# Altium PCB IMX6 DEV BOARD.PcbDoc (part 9 of 12) (continued)
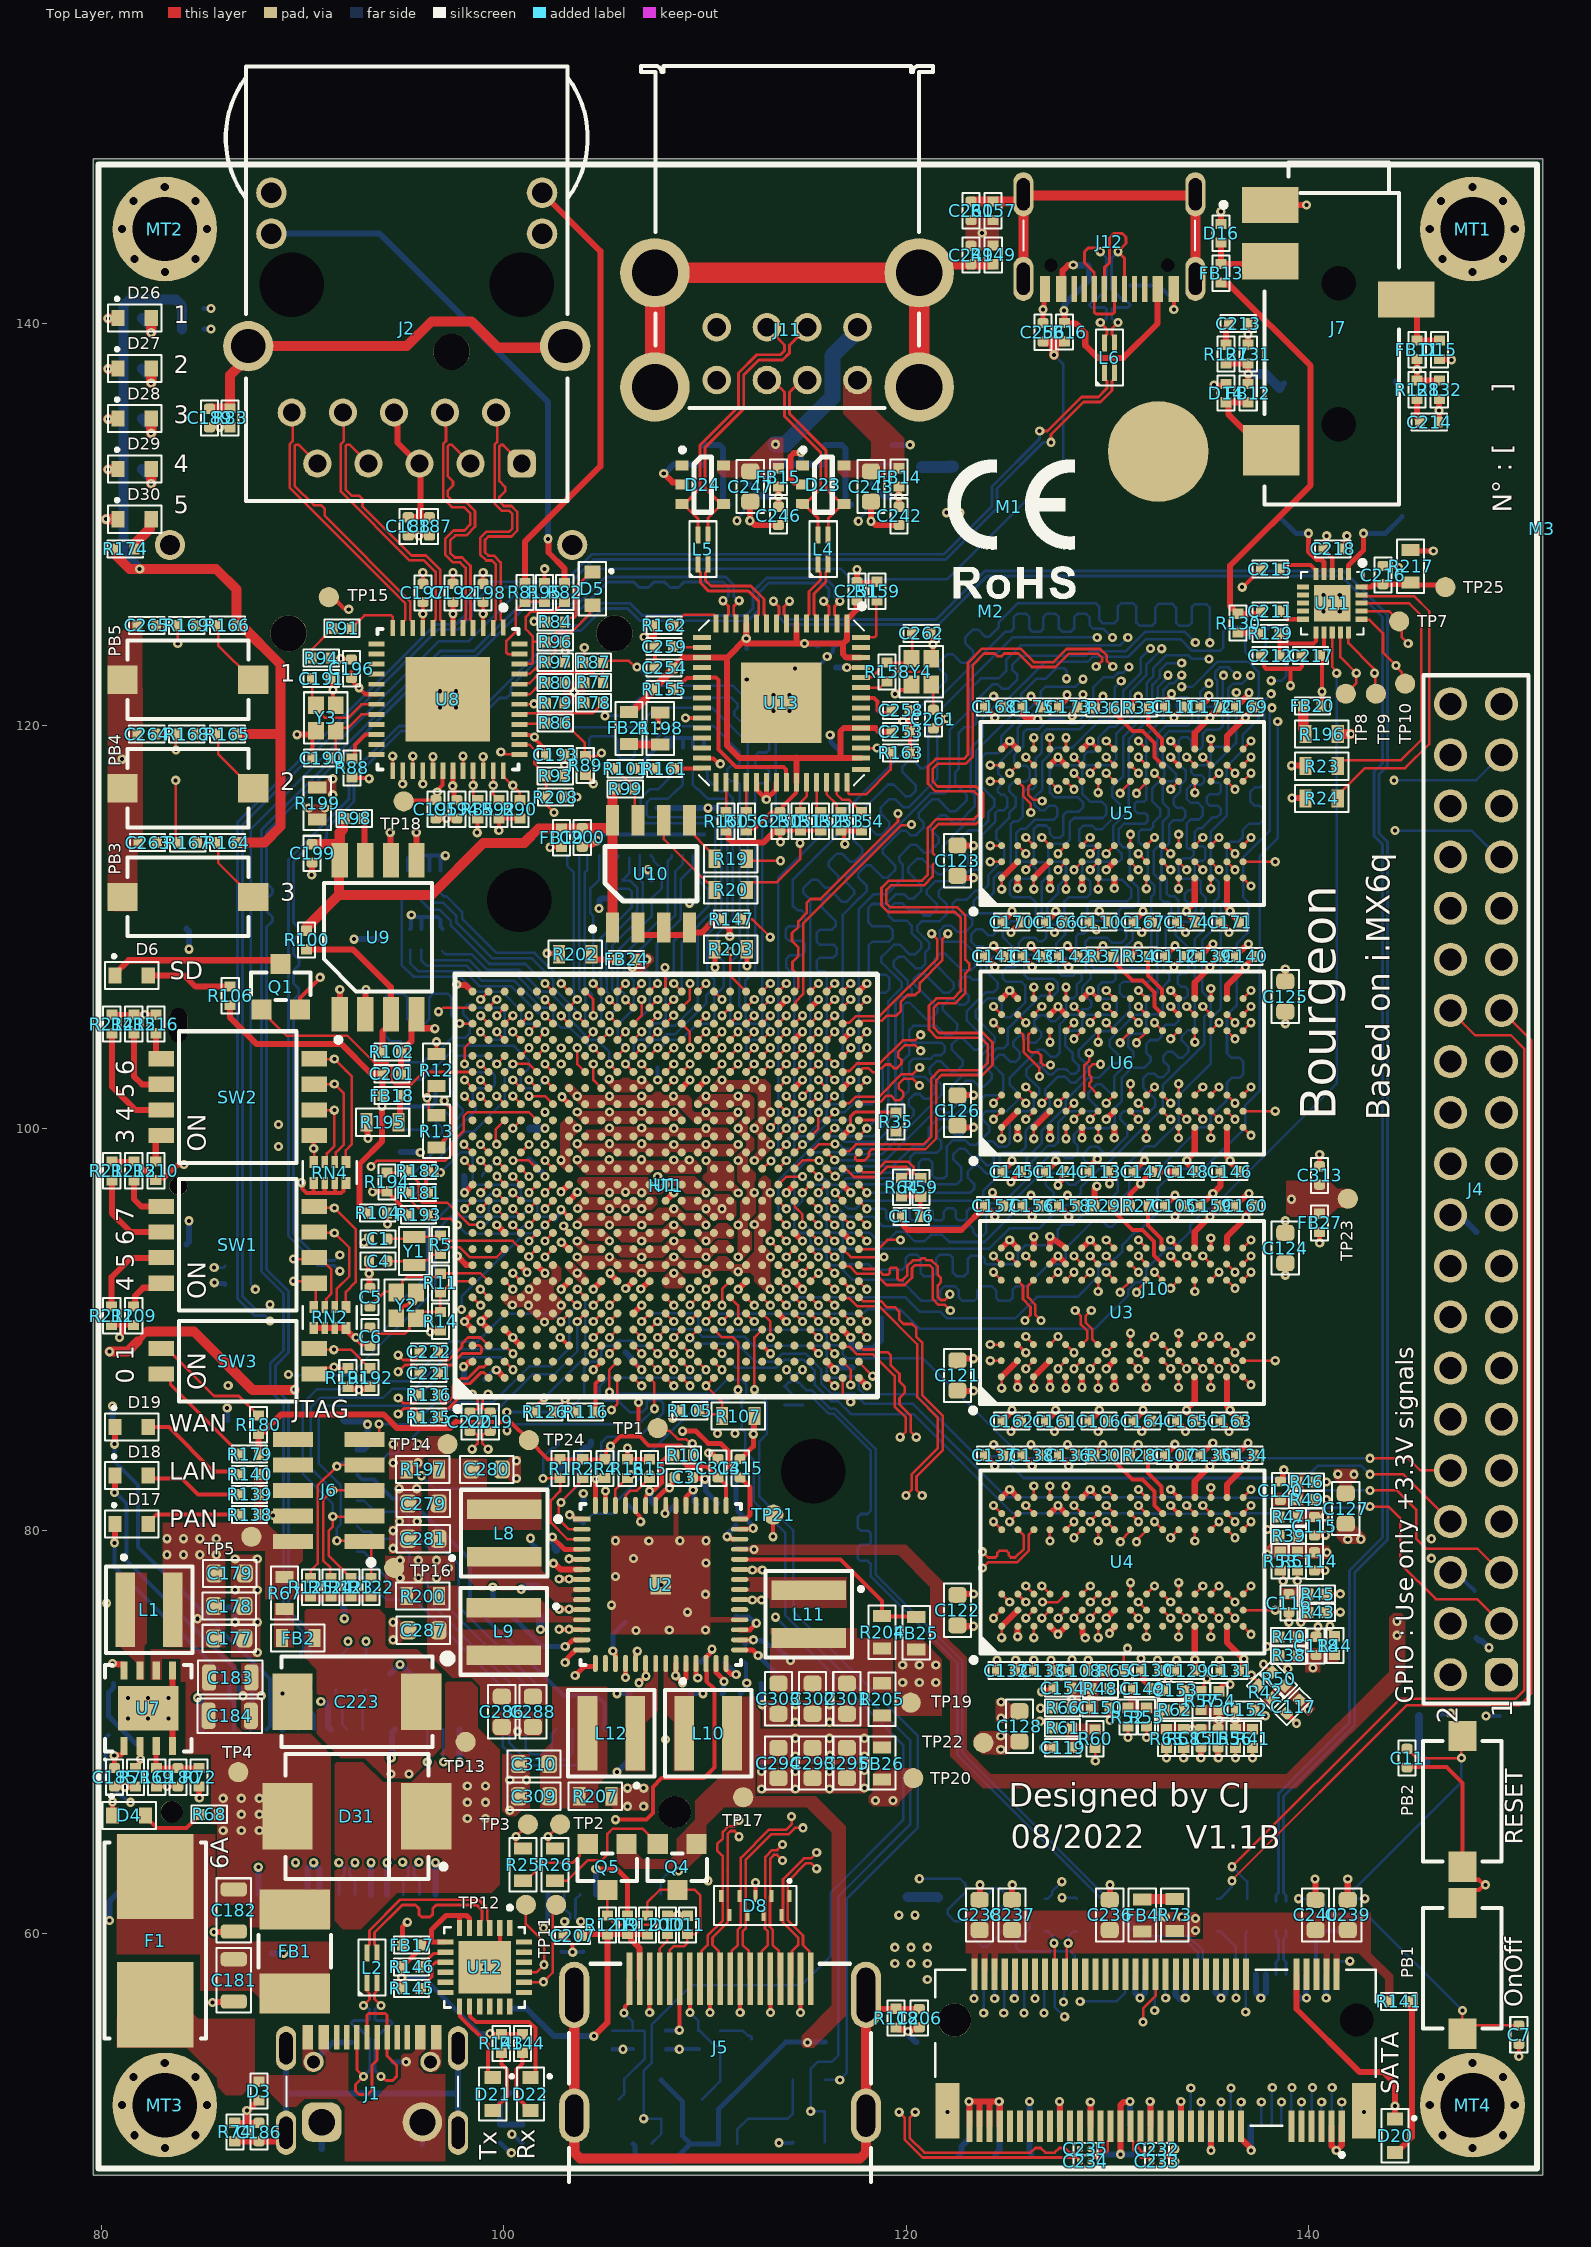
[diagram p0: Top Layer view]
## Nets (pads, with @x,y where several pads share a name; then routed paths per layer and width w, separated by ;. In a path a pad name is that pad's centre, name@x,y a point inside that pad or via, vN(x,y) a via of type N, cw(c..) or ccw(c..) an arc to the next point about the centre after c; other vN are vias at no path point) (continued)
  Bottom Layer w0.125: v1(91.5,80.7) 91.5,81.331 90.01,82.821 90.01,86.333 90.707,87.029 91.916,87.029 92.306,87.419 95.305,87.419 97.286,89.4 98.7,89.4 100.093,90.793 102.438,90.793 v1(102.839,90.391)
JTAG_TDO: J6.9 U1.G6 | length 15.2
  Top Layer w0.125: J6.9@93.075,84.54 93.488,84.54 93.8,84.852 v1(93.8,85.3) ; U1.G6@103.244,91.6 103.247,91.6 103.647,91.2 v1(103.65,91.2)
  Bottom Layer w0.125: v1(93.8,85.3) 95.549,85.3 96.639,86.39 99.493,86.39 101.276,88.173 102.36,88.173 103.257,89.071 103.257,90.807 v1(103.65,91.2)
JTAG_TMS: J6.5 R124.1 U1.C3 | length 22.7
  Top Layer w0.125: R124.1@91.4,77.65 91.381,77.669 91.381,78.162 91.02,78.524 91.02,81.52 v1(91.5,82) ; v1@91.6,82 J6.5@93.075,82 ; U1.C3@100.048,89.2 100.051,89.2 100.451,88.8 v1(100.454,88.8)
  Bottom Layer w0.125: v1(91.5,82) 90.407,83.093 90.407,86.154 90.86,86.608 94.007,86.608 94.453,87.053 95.544,87.053 97.517,89.027 100.186,89.027 100.413,88.8 v1(100.454,88.8)
LED0: R81.2 R95.2 U8.47 | length 4.6
  Top Layer w0.125: U8.47@100.776,123.576 100.198,123.576 100.125,123.649 100.125,124.225 100.6,124.7 100.6,125.725 R81.2@101.05,126.175 R95.2@102.025,126.175
LED1: R82.2 R96.2 U8.46 | length 6
  Top Layer w0.125: U8.46@100.776,123.076 100.79,123.09 101.377,123.09 101.45,123.163 101.45,124.2 ; R96.2@102.1,124.178 101.472,124.178 101.45,124.2 ; R82.2@103.025,126.175 103.004,126.175 102.515,125.686 101.356,125.686 101.093,125.423 101.093,124.807 101.45,124.45 101.45,124.2
LED2: D5.2 R97.2 U8.45 | length 5.8
  Top Layer w0.125: U8.45@100.776,122.576 100.783,122.583 101.29,122.583 101.665,122.959 101.909,122.959 102.1,123.15 102.1,123.192 102.566,123.659 102.566,124.605 102.64,124.678 103.378,124.678 104.261,125.561 104.261,125.861 D5.2@104.4,126
LED_A1: R160.2 U13.30 | length 1.5
  Top Layer w0.125: R160.2@111.05,115.725 U13.30@111.05,117.2
LED_A2: R161.2 U13.28 | length 1.4
  Top Layer w0.2: R161.2@108.45,117.875 108.462,117.888 109.837,117.888 U13.28@109.85,117.9
LED_A3: R162.2 U13.14 | length 2.7
  Top Layer w0.125: R162.2@108.425,125 108.425,125.021 108.616,125.212 108.637,125.212 108.952,125.527 110.448,125.527 110.55,125.425 U13.14@110.55,125.1
LED_A4: R163.2 U13.42 | length 3.9
  Top Layer w0.125: U13.42@117.05,117.2 117.112,117.138 117.112,116.669 117.186,116.596 117.996,116.596 119.225,117.825 R163.2@119.225,118.55
LED_USER_0: D26.1 U1.D19 | length 51.2
  Top Layer w0.125: v1(100.446,102.4) 100.449,102.4 100.846,102.002 100.849,102 U1.D19@100.852,102
  Top Layer w0.5: v1(80.325,140.25) 80.8,140.25 D26.1@80.825,140.275
  Inner 2 w0.125: v1(80.325,140.25) 82.9,137.675 82.9,131.7 85.9,128.7 85.9,116.488 89.616,112.771 89.616,107.794 91.22,106.191 94.349,106.191 94.35,106.193 97.479,106.193 98.48,105.192 99.009,105.192 99.25,104.951 99.25,104.5 100.042,103.707 100.042,102.846 100.446,102.443 v1(100.446,102.4)
LED_USER_1: D27.1 U1.D18 | length 49.4
  Top Layer w0.125: v1(100.446,101.6) 100.449,101.6 100.846,101.202 100.849,101.2 U1.D18@100.852,101.2
  Top Layer w0.5: v1(80.325,137.75) 80.8,137.75 D27.1@80.825,137.775
  Inner 2 w0.125: v1(80.325,137.75) 81.75,136.325 81.75,132.15 85.4,128.5 85.4,116.282 89.15,112.532 89.15,107.45 91,105.6 96.1,105.6 96.315,105.385 96.938,105.385 98.056,104.266 98.684,104.266 99.243,103.707 99.243,102.657 100.236,101.664 100.382,101.664 v1(100.446,101.6)
LED_USER_2: D28.1 U1.A19 | length 45.2
  Top Layer w0.125: v1(98.046,102.4) 98.049,102.4 98.446,102.002 98.449,102 U1.A19@98.452,102
  Top Layer w0.5: v1(80.325,135.25) 80.8,135.25 D28.1@80.825,135.275
  Inner 2 w0.125: v1(80.325,135.25) 81.25,134.325 81.25,125.3 83.023,123.527 83.023,115.858 86.708,112.173 86.708,106.992 89.866,103.834 94.266,103.834 95.331,102.769 97.381,102.769 97.728,102.422 98.024,102.422 v1(98.046,102.4)
LED_USER_3: D29.1 U1.B18 | length 44.3
  Top Layer w0.125: v1(98.846,101.6) 98.849,101.6 99.246,101.202 99.249,101.2 U1.B18@99.252,101.2
  Top Layer w0.5: v1(80.325,132.75) 80.8,132.75 D29.1@80.825,132.775
  Inner 2 w0.125: v1(80.325,132.75) 80.742,132.333 80.742,124.908 82.55,123.1 82.55,115.67 86.171,112.05 86.171,106.771 89.942,103 94.4,103 94.994,102.406 97.32,102.406 97.719,102.007 98.218,102.007 98.565,101.659 98.787,101.659 v1(98.846,101.6)
LED_USER_4: D30.1 U1.A18 | length 41.6
  Top Layer w0.125: v1(98.046,101.6) 98.049,101.6 98.446,101.202 98.449,101.2 U1.A18@98.452,101.2
  Top Layer w0.5: v1(80.225,130.275) D30.1@80.825,130.275
  Inner 2 w0.125: v1(80.225,130.275) 80.225,124.625 82.106,122.744 82.106,115.481 85.683,111.904 85.683,106.467 89.55,102.6 94.1,102.6 94.677,102.023 97.314,102.023 97.674,101.664 97.982,101.664 v1(98.046,101.6)
LICELL: BT1.1 C315.1 U2.42 | length 106.2
  Top Layer w0.25: v1(108.88,84.947) 109.553,84.947 110.155,84.345 110.771,84.345 111.2,83.916 111.2,83.179 111.729,82.65 C315.1@111.75,82.65 ; C315.1@111.702,82.717 111.899,82.521 111.899,82.501 112.246,82.154 112.246,80.794 112.027,80.575 U2.42@111.726,80.575
  Top Layer w0.3: 81.795,89.4 82.295,89.9
  Top Layer w0.5: v1(80.4,88.9) 81.295,88.9 81.795,89.4 ; 82.295,89.9 84.6,89.9 87.5,87 89.586,87 v1(89.597,87.011)
  PWR 1 w0.5: v1(80.4,88.9) 80.32,88.98 80.32,125.12 83.239,128.039 83.239,128.839 BT1.1@83.4,129 ; v1@89.6,87 91.699,87 92.5,86.199 92.5,85.1 93.8,83.8 93.8,76.25 93.806,76.244 93.806,70.393 94.099,70.1 99.177,70.1 99.47,70.393 99.47,73.17 100.095,73.795 100.095,79.968 100.388,80.261 102.654,80.261 102.715,80.2 104.107,80.2 105.699,81.792 105.699,83.052 106.065,83.418 107.37,83.418 108.88,84.928 v1(108.88,84.947)
NetC1_1: C1.1 R5.2 U1.D9 Y1.2 | length 7
  Top Layer w0.125: C1.1@94.207,94.5 95.45,94.5 Y1.2@95.55,94.6 96.775,94.6 R5.2@96.85,94.675 97.042,94.484 97.066,94.484 97.15,94.4 100.444,94.4 U1.D9@100.844,94 U1.D9@100.844,93.997
NetC4_1: C4.1 R5.1 U1.C9 Y1.1 | length 6.7
  Top Layer w0.125: C4.1@94.207,93.4 95.35,93.4 Y1.1@95.55,93.2 95.783,93.433 96.183,93.433 96.461,93.711 96.832,93.711 97.063,93.942 97.063,93.962 97.182,94.082 97.813,94.082 98.295,93.6 99.65,93.6 99.65,93.603 100.044,93.997 U1.C9@100.044,94
NetC5_1: C5.1 R11.2 U1.B7 Y2.1 | length 6.9
  Top Layer w0.11: C5.1@93.35,91.143 94.095,91.887 Y2.1@94.663,91.887 ; Y2.1@94.663,91.837 94.951,92.126 94.951,92.376 95.184,92.608 96.683,92.608 R11.2@96.85,92.775 96.875,92.8 98.844,92.8 U1.B7@99.244,92.4
NetC6_1: C6.1 R11.1 R14.2 U1.A7 Y2.3 | length 7
  Top Layer w0.125: C6.1@93.35,90.1 93.371,90.1 93.671,89.8 95.088,89.8 95.313,90.025 95.313,90.238 Y2.3@95.637,90.562 95.95,90.875 R14.2@96.85,90.875 R11.1@96.85,91.85 97.041,92.041 97.091,92.041 97.45,92.4 U1.A7@98.444,92.4
NetC8_1: C8.1 U2.49 | length 1.1
  Top Layer w0.25: v1(108.008,80.853) 108.05,80.895 U2.49@108.05,81.251
  Bottom Layer w0.25: v1(108.008,80.853) 108.048,80.893 108.108,80.893 108.522,81.307 C8.1@108.544,81.307
NetC9_1: C9.1 R10.1 U2.51 | length 3.8
  Top Layer w0.2: U2.51@107.05,81.569 107.058,81.578 107.058,81.713 107.287,81.942 107.287,82.012 107.48,82.012 107.85,82.383 107.85,83.45 108.05,83.65 108.375,83.65 R10.1@108.475,83.75
  Bottom Layer w0.25: v1(107.238,81.962) 107.238,81.906 107.325,81.818 107.325,81.436 107.454,81.307 C9.1@107.474,81.307
NetC10_1: C10.1 U2.52 | length 2
  Top Layer w0.2: U2.52@106.55,81.251 106.55,80.93 106.753,80.727 106.753,80.499 v1(106.803,80.449)
  Bottom Layer w0.2: C10.1@106.15,81.307 106.171,81.307 106.753,80.725 106.753,80.499 v1(106.803,80.449)
NetC11_1: C11.1 PB2.2 R7.1 R8.1 R12.2 R13.2 R178.2 | length 160.6
  Top Layer w0.125: R13.2@96.65,100.65 96.5,100.65 96.262,100.887 96.262,101.348 96.184,101.427 v1(96.184,101.518) 96.184,101.608 96.262,101.687 96.262,101.858 96.5,102.096 R12.2@96.65,102.096 ; C11.1@144.9,69.157 145.357,68.7 v1(147.6,68.7) 147.6,69.4 PB2.2@147.6,69.8 ; PB2.2@147.65,69.4 PB2.2@147.75,69.3
  Inner 2 w0.125: v1(96.184,101.518) 89.218,101.518 86.3,98.6 86.3,86.8 88.1,85 88.1,79.873 88.396,79.577 88.396,73.604 90.4,71.6 90.4,70.09 96.194,64.296 96.194,63.24 96.612,62.823 104.377,62.823 112.2,55 115.279,55 117.579,52.7 128.8,52.7 131.5,50 143.655,50 144.8,51.145 144.8,58.1 142.797,60.103 v1(142.797,61.712)
  Inner 5 w0.125: v1(86.297,87.211) 87.694,88.607 92.232,88.607 92.922,89.298 95.19,89.298 95.7,88.788 95.7,85.5 95.2,85 95.2,83 95.474,82.726 v1(95.911,82.726)
  Bottom Layer w0.125: v1(95.911,82.726) 96.557,82.08 102.105,82.08 102.725,82.7 R7.1@102.725,82.85 ; R178.2@141.562,61.938 141.8,61.7 R178.2@141.95,61.7 R178.2@141.977,61.7 ; v1@142.8,61.7 R178.2@141.977,61.7 ; v1@147.6,68.81 147.6,67.5 142.214,62.114 142.214,61.938 R178.2@141.977,61.7
  Bottom Layer w0.3: R7.1@102.725,82.85 102.725,83 102.875,83.15 103.025,83.15 104,84.125 104.175,84.125 104.325,84.275 R8.1@104.325,84.425
NetC104_1: C104.1 U1.F9 | length 0.6
  Top Layer w0.125: v1(102.05,93.6) 102.05,93.603 102.444,93.997 U1.F9@102.444,94
NetC181_1: C181.1 F1.2 FB1.1
NetC186_1: C186.1 J1.0 R74.2 | length 20.3
  Top Layer w0.25: J1.0@88.829,50.52 89.175,50.174 J1.0@89.175,50.075
  Top Layer w0.3: R74.2@86.625,49.65 88.852,49.65 89.175,49.973 J1.0@89.175,50.075
  Bottom Layer w0.3: J1.0@89.175,50.075 89.175,52.05 ; J1.0@89.175,54.275 89.175,52.05 ; J1.0@97.725,50.075 97.725,52.025 ; J1.0@97.725,54.275 97.725,52.025 ; 89.175,52.05 89.2,52.025 97.725,52.025
NetC187_1: C187.1 C188.1 J2.5 J2.6 | length 6.8
  Top Layer w0.3: J2.6@94.54,135.58 94.718,135.402 94.718,134.082 95.76,133.04 J2.5@95.81,133.04 ; C188.1@95.25,130.375 95.85,130.375 ; J2.5@95.85,133 95.85,130.375 ; C187.1@96.3,130.375 95.85,130.375
NetC189_1: C189.1 J2.Shell R83.2 | length 21.3
  Top Layer w0.5: C189.1@85.375,135.764 85.396,135.764 85.407,135.775 R83.2@86.4,135.775 86.4,137.439 87.3,138.339 J2.Shell@87.3,138.88 95.18,138.88 96.4,140.1 98.4,140.1 99.7,138.8 102.97,138.8 J2.Shell@103.05,138.88
NetC190_1: C190.1 U8.20 Y3.1 | length 3.8
  Top Layer w0.125: C190.1@91.407,118.4 91.407,118.456 91.638,118.686 Y3.1@91.638,119.763 91.775,119.9 92.25,119.9 92.926,120.576 U8.20@93.674,120.576
NetC191_1: C191.1 U8.19 Y3.3 | length 5.1
  Top Layer w0.125: C191.1@90.468,122.35 90.468,121.232 Y3.3@90.663,121.038 90.985,120.715 90.985,120.52 91.105,120.4 92.25,120.4 92.926,121.076 U8.19@93.674,121.076
NetC202_1: C202.1 C203.1 F2.1 J4.1 J4.17
NetC204_1: C204.1 C205.1 F3.1 J4.2 J4.4
NetC206_1: C206.1 J5.Shell R118.2 | length 33.3
  Top Layer w0.3: J5.Shell@118,56.925 118,56.787 118.554,56.232 C206.1@120.65,56.232
  Top Layer w0.5: J5.Shell@103.5,56.925 J5.Shell@103.5,50.925 103.5,49.093 103.793,48.8 117.707,48.8 118,49.093 J5.Shell@118,50.925 J5.Shell@118,56.787
NetC209_1: C209.1 FB11.1 R128.2 R132.2 | length 2.6
  Top Layer w0.3: v1(145.4,137.701) R128.2@145.4,137.175 R132.2@146.5,137.175 ; v1(145.4,137.701) FB11.1@145.4,138.243
  Bottom Layer w0.3: C209.1@144.34,137.11 C209.1@144.65,136.8
NetC209_2: C209.2 U11.1 | length 4.6
  Top Layer w0.25: U11.1@141.978,127.554 141.978,127.978 142.725,128.725 v1(142.725,129.575)
  Bottom Layer w0.25: v1(142.725,129.575) 143.825,129.575 C209.2@144.65,130.4
NetC210_1: C210.1 FB12.1 R127.2 R131.2 | length 4.3
  Top Layer w0.3: R127.2@135.9,138.025 R131.2@137,138.025 137.001,138.024 v1(137.003,137.497) v1(137.003,137.497) 137.001,137.496 137.001,137.001 FB12.1@137,137
  Bottom Layer w0.3: C210.1@138.55,136.8 C210.1@138.769,137.019
  Bottom Layer w0.5: v1(137.003,137.497) 137.853,137.497 C210.1@138.55,136.8
NetC210_2: C210.2 U11.4 | length 4.3
  Top Layer w0.25: v1(140,129.575) 140,128.672 140.4,128.272 140.631,128.272 140.778,128.125 U11.4@140.778,127.554
  Bottom Layer w0.25: C210.2@138.55,130.4 139.375,129.575 v1(140,129.575)
NetC211_1: C211.1 U11.10 | length 1.3
  Top Layer w0.2: C211.1@138.557,125.7 138.557,125.679 138.933,125.304 U11.10@139.728,125.304
NetC211_2: C211.2 FB13.1 R130.2 | length 21.5
  Top Layer w0.3: FB13.1@135.65,142.043 135.754,141.939 136.061,141.939 140.099,137.901 140.099,131.974 136.1,127.975 136.1,125.954 136.479,125.575 R130.2@136.5,125.575 137.539,125.575 137.643,125.679 C211.2@137.643,125.7
NetC212_2: C212.2 R129.1 U11.11 | length 3.4
  Top Layer w0.2: R129.1@138.55,124.6 138.554,124.596 138.554,124.1 ; C212.2@138.557,123.5 138.554,123.504 138.554,124.1 ; U11.11@140.378,124.654 140.365,124.641 140.365,124.217 140.248,124.1 138.554,124.1
NetC213_1: C213.1 R127.1 | length 1.1
  Top Layer w0.3: R127.1@135.9,138.95 135.9,139.836 136.043,139.979 C213.1@136.043,140
NetC214_1: C214.1 R128.1 | length 1.2
  Top Layer w0.3: R128.1@145.4,136.25 145.4,135.264 145.543,135.121 C214.1@145.543,135.1
NetC215_1: C215.1 U11.5 | length 2.2
  Top Layer w0.2: C215.1@138.557,127.8 138.557,127.806 138.709,127.958 138.793,127.958 138.835,128 140.106,128 140.353,127.754 140.378,127.729 U11.5@140.378,127.554
NetC242_1: C242.1 FB14.1 U14.6 | length 2.7
  Top Layer w0.3: C242.1@119.629,130.9 119.642,130.913 119.642,131.392 v1(119.635,131.4) 119.642,131.408 119.642,131.887 FB14.1@119.629,131.9
  Bottom Layer w0.3: U14.6@118.263,132.035 118.897,131.4 v1(119.635,131.4)
NetC243_1: C243.1 D23.5 FB14.2 J11.A1
NetC244_1: C244.1 U14.5 | length 1.2
  Bottom Layer w0.125: U14.5@118.113,133 118.127,133.014 C244.1@119.3,133.014
NetC246_1: C246.1 FB15.1 U15.6 | length 2.9
  Top Layer w0.3: C246.1@113.65,130.9 v1(113.65,131.4) FB15.1@113.65,131.9
  Bottom Layer w0.3: U15.6@112.05,132.035 112.2,132.035 112.835,131.4 v1(113.65,131.4)
NetC247_1: C247.1 D24.5 FB15.2 J11.B1 | length 7.8
  Bottom Layer w0.8: v1(113.5,134) 114,134 116.33,136.33 116.33,138.397 117.58,139.647 J11.B1@117.58,139.815
NetC248_1: C248.1 U15.5 | length 1.7
  Bottom Layer w0.125: U15.5@112.05,133 112.287,132.763 112.537,132.763 113.048,132.252 113.198,132.252 C248.1@113.35,132.1
NetC249_1: C249.1 J11.Shell R149.2 | length 28.4
  Top Layer w0.5: J11.Shell@120.65,142.525 121.071,142.946 123.221,142.946 C249.1@123.225,142.95 R149.2@124.325,142.95 R149.2@124.329,142.954
  Top Layer w1: J11.Shell@107.51,136.845 J11.Shell@107.51,142.525 J11.Shell@120.65,142.525 J11.Shell@120.65,136.845
NetC260_1: C260.1 J12.0 R157.2 | length 20.1
  Top Layer w0.3: J12.0@125.502,141.831 125.825,142.154 J12.0@125.825,142.175
  Top Layer w0.5: C260.1@123.225,146.064 123.229,146.068 R157.2@124.218,146.068 ; R157.2@124.325,146.069 125.594,146.069 125.825,146.3 J12.0@125.825,146.425 ; J12.0@125.825,142.175 J12.0@125.825,142.225 125.825,146.375 134.375,146.375 J12.0@134.375,142.175
NetC261_1: C261.1 R158.2 U13.51 Y4.3 | length 5.6
  Top Layer w0.125: U13.51@117.75,121.9 118.704,121.9 119.029,122.225 R158.2@119.05,122.225 119.071,122.225 119.546,122.7 120.877,122.7 120.95,122.627 120.95,122.35 Y4.3@121.237,122.062 121.35,121.95 C261.1@121.35,120.8
NetC262_1: C262.1 R158.1 U13.52 Y4.1 | length 4.2
  Top Layer w0.125: U13.52@117.75,122.4 117.781,122.431 118.31,122.431 119.029,123.15 R158.1@119.05,123.15 120.075,123.15 Y4.1@120.263,123.337 120.293,123.368 C262.1@120.293,124.6
NetC283_1: C283.1 R199.1 U2.18 | length 1.4
  Top Layer w0.25: v1(106.05,72.7) U2.18@106.05,73.399
  Bottom Layer w0.25: v1(106.05,72.7) C283.1@106.05,73.443
  other v1: 90.3,115.925 91.1,115.925
NetC290_1: C290.1 R201.1 U2.26 | length 48.8
  Top Layer w0.2: v1(105.556,65.638) 107.088,65.638 107.421,65.971 107.421,67.271 107.85,67.7 109.95,67.7 110.474,68.224 110.474,72.126 110.086,72.514 110.086,73.042 110.054,73.075 U2.26@110.054,73.094
  Top Layer w0.25: U2.26@110.054,73.705 110.307,73.959 110.307,74.072 v1(110.348,74.112) v1@110.291,74.112
  Inner 2 w0.2: v1@81.45,66.473 83.487,64.436 88.714,64.436 v1(89.65,63.5)
  PWR 2 w0.2: v1(89.65,63.5) 89.65,62.1 91.15,60.6 94.55,60.6 94.95,61 95.45,61 95.75,60.7 102.35,60.7 102.75,61.1 103.95,61.1 105.75,62.9 105.75,65.39 105.556,65.584 v1(105.556,65.638)
  Bottom Layer w0.2: R201.1@80.35,69.85 80.2,69.7 80.2,67.608 80.987,66.821 81.058,66.821 81.38,66.5 v1(81.45,66.5)
  Bottom Layer w0.25: C290.1@109.8,73.485 110.307,73.992 110.307,74.072 v1(110.348,74.112)
NetC296_1: C296.1 R203.1 U2.28 | length 2.6
  Top Layer w0.25: U2.28@111.05,73.399 111.05,73.098 111.298,72.85 v1(111.55,72.85) ; v1(112.091,108.071) 112.095,108.076 112.095,108.895 R203.1@112.1,108.9
  Bottom Layer w0.25: C296.1@110.966,73.45 110.986,73.45 111.55,72.886 v1(111.55,72.85)
NetC300_1: C300.1 R217.1 U2.39 | length 2.1
  Top Layer w0.25: R217.1@145.071,128.736 145.071,128.7 v1(146.2,128.7)
  Bottom Layer w0.25: C300.1@111.55,79.15 111.594,79.106 112.39,79.106 v1(112.43,79.066)
  other v1: 144.4,74.8 144.399,75.497
NetC304_1: C304.1 R206.1 U2.41 | length 3.7
  Top Layer w0.25: U2.41@111.726,80.075 111.729,80.079 112.292,80.079 112.336,80.122 v1(112.393,80.122)
  Bottom Layer w0.25: R206.1@111.35,82.65 111.375,82.65 111.55,82.475 C304.1@111.55,81.35 111.55,81.329 111.629,81.25 111.629,80.979 112.352,80.256 112.352,80.162 v1(112.393,80.122)
NetC309_1: C309.1 C310.1 L12.2 R207.1
NetD2_5: D2.5 D3.1 F1.1 J1.2 J1.11 | length 1.8
  Bottom Layer w0.25: D2.5@94.475,53.6 v1(95.15,53.6) ; J1.2@95.94,49.47 95.95,49.48 J1.2@95.95,50.6
NetD4_2: D4.2 R68.1 | length 3.3
  Top Layer w0.2: D4.2@82.2,65.85 82.2,65.775 82.755,65.22 84.22,65.22 84.725,65.725 84.746,65.725 84.9,65.879 R68.1@84.9,65.9
NetD5_1: D5.1 R84.2 | length 3.3
  Top Layer w0.125: R84.2@103.024,125.175 103.024,125.196 103.215,125.387 103.5,125.387 103.573,125.461 103.573,126.898 104.062,127.387 104.32,127.645 D5.1@104.445,127.645
NetD6_1: D6.1 Q1.D | length 8.7
  Top Layer w0.3: D6.1@80.675,107.6 80.675,107.675 81.354,108.354 88.721,108.354 Q1.D@88.9,108.175
NetD6_2: D6.2 R106.1 | length 4.3
  Top Layer w0.3: D6.2@82.325,107.6 84.114,107.6 84.664,107.05 R106.1@86.4,107.05
NetD7_K: D7.K R113.2 | length 1.8
  Bottom Layer w0.125: R113.2@110.75,55.155 111.87,55.155 112.125,54.9 112.246,54.9 112.311,54.835 D7.K@112.311,54.714
NetD14_1: D14.1 FB12.2 J7.2 | length 4.3
  Top Layer w0.3: D14.1@135.9,136.086 D14.1@135.921,136.086 ; FB12.2@137,136.086 D14.1@135.921,136.086 ; J7.2@137.8,133.7 136.025,135.475 136.025,135.982 D14.1@135.921,136.086
NetD15_1: D15.1 FB11.2 J7.3 | length 3.2
  Top Layer w0.3: J7.3@145.2,141.2 145.4,141 FB11.2@145.4,139.157 D15.1@146.5,139.157
NetD16_1: D16.1 FB13.2 J7.4 | length 3.6
  Top Layer w0.3: D16.1@135.654,144.035 135.652,144.033 135.652,142.959 FB13.2@135.65,142.957 137.957,142.957 J7.4@138.1,143.1
NetD17_2: D17.2 R138.2 | length 4.8
  Top Layer w0.2: D17.2@82.325,80.325 82.325,80.4 82.725,80.8 R138.2@86.93,80.8
NetD18_2: D18.2 R139.2 | length 5
  Top Layer w0.2: D18.2@82.325,82.8 82.525,82.6 84,82.6 84.8,81.8 R139.2@86.878,81.8
NetD19_2: D19.2 R140.2 | length 5.7
  Top Layer w0.2: D19.2@82.325,85.15 83.35,85.15 85.549,82.951 86.754,82.951 R140.2@87.005,82.7
NetD20_2: D20.2 R141.1 | length 8
  Top Layer w0.3: D20.2@144.3,49.1 144.375,49.1 144.55,49.275 145.141,49.866 145.141,56.258 145.054,56.345 145.054,56.496 R141.1@144.95,56.6
NetD21_1: D21.1 U12.13 | length 4.2
  Top Layer w0.2: U12.13@97.8,56.35 97.83,56.32 97.83,55.858 99.203,54.485 99.203,53.05 99.428,52.825 D21.1@99.45,52.825
NetD21_2: D21.2 R143.1 | length 3.3
  Top Layer w0.2: D21.2@99.45,51.175 99.525,51.175 99.75,51.4 99.75,51.475 100.15,51.875 100.15,53.225 99.875,53.5 R143.1@99.875,54.05
NetD22_1: D22.1 U12.14 | length 6.5
  Top Layer w0.2: U12.14@98.3,56.35 98.33,56.32 98.33,55.864 98.606,55.588 101.252,55.588 101.568,55.272 101.568,53.05 101.343,52.825 D22.1@101.325,52.825
NetD22_2: D22.2 R144.1 | length 3.3
  Top Layer w0.2: R144.1@100.925,54.05 100.925,53.514 100.625,53.214 100.625,51.875 101.025,51.475 101.025,51.4 101.25,51.175 D22.2@101.325,51.175
NetD25_5: D25.5 FB16.2 J12.2 J12.11 | length 13.8
  Top Layer w0.3: J12.11@127.7,141.775 127.778,141.853 127.778,142.634 128.051,142.907 v1(128.304,142.907) ; v1(127.85,140.65) 127.863,140.638 127.863,140.045 FB16.2@127.875,140.032 127.897,140.01 128.418,140.01 128.9,139.529 128.9,138.915 129.521,138.294 130.791,138.294 132.5,140.002 J12.2@132.5,141.725
  Bottom Layer w0.3: v1(127.85,140.65) 127.881,140.681 127.881,140.956 129.085,142.16 D25.5@129.085,142.83 129.015,142.9 128.311,142.9 v1(128.304,142.907)
NetD26_2: D26.2 R170.1 | length 1.6
  Top Layer w0.5: v1(82.475,139.55) D26.2@82.475,140.275
  Bottom Layer w0.5: R170.1@82.025,140.275 82.025,140.254 82.475,139.804 v1(82.475,139.55)
NetD27_2: D27.2 R171.1 | length 1.6
  Top Layer w0.5: v1(82.475,137.05) D27.2@82.475,137.775
  Bottom Layer w0.5: R171.1@82.025,137.775 82.025,137.754 82.475,137.304 v1(82.475,137.05)
NetD28_2: D28.2 R172.1 | length 1.6
  Top Layer w0.5: v1(82.475,134.55) D28.2@82.475,135.275
  Bottom Layer w0.5: R172.1@82.025,135.275 82.025,135.254 82.475,134.804 v1(82.475,134.55)
NetD29_2: D29.2 R173.1 | length 1.6
  Top Layer w0.5: v1(82.475,132.05) D29.2@82.475,132.775
  Bottom Layer w0.5: R173.1@82.025,132.775 82.025,132.754 82.475,132.304 v1(82.475,132.05)
NetD30_2: D30.2 R174.1 | length 1.8
  Top Layer w0.5: R174.1@81.65,128.8 81.654,128.804 81.654,129.054 82.4,129.8 82.4,130.2 D30.2@82.475,130.275
NetFB2_1: FB2.1 R67.2
NetFB3_1: FB3.1 R70.2 | length 1.5
  Bottom Layer w0.5: R70.2@120.075,61.8 120.087,61.788 121.562,61.788 FB3.1@121.575,61.775
NetFB4_1: FB4.1 R73.2 | length 1.6
  Top Layer w0.3: FB4.1@131.733,61.675 FB4.1@131.746,61.688 ; R73.2@133.337,61.688 R73.2@133.35,61.7
  Top Layer w0.5: FB4.1@131.746,61.688 R73.2@133.337,61.688
NetFB5_1: FB5.1 R75.2 | length 1.5
  Bottom Layer w0.6: FB5.1@120.8,132.875 122.15,132.875 122.175,132.9 R75.2@122.325,132.9
NetFB7_1: FB7.1 R76.2
NetFB18_1: FB18.1 R195.1 | length 1.4
  Top Layer w0.3: R195.1@94.775,100.3 94.829,100.354 94.829,101.571 FB18.1@94.882,101.625
NetFB20_1: FB20.1 R196.2 | length 1.4
  Top Layer w0.5: FB20.1@139.736,121 139.736,119.864 139.85,119.75 R196.2@139.85,119.6
NetFB21_1: FB21.1 R198.1 | length 1.6
  Top Layer w0.3: FB21.1@106.225,119.1 FB21.1@106.237,119.088 ; R198.1@107.762,119.088 R198.1@107.775,119.075
  Top Layer w0.4: FB21.1@106.237,119.088 R198.1@107.762,119.088
NetFB24_1: FB24.1 R202.2 | length 1.4
  Top Layer w0.3: R202.2@104.35,108.65 104.35,108.55 104.5,108.4 FB24.1@105.636,108.4
NetFB25_1: FB25.1 R204.2 U2.38 | length 10.2
  Top Layer w0.2: U2.38@111.726,78.575 116.725,78.575 118.8,76.5 R204.2@118.8,75.75 ; R204.2@118.975,75.725 120.475,75.725 FB25.1@120.5,75.7
NetFB26_1: FB26.1 R205.2
NetJ2_12: J2.12 R81.1 | length 22.2
  Top Layer w0.3: R81.1@101.05,127.1 101.05,129.15 104.8,132.9 104.8,143.6 J2.12@101.9,146.5
NetJ2_13: J2.13 R82.1 | length 26.6
  Top Layer w0.3: v1(102.2,129.3) 102.223,129.277 102.223,128.62 103.025,127.818 R82.1@103.025,127.1
  Bottom Layer w0.3: J2.13@88.45,144.47 93.83,144.47 102.2,136.1 v1(102.2,129.3)
NetJ5_14: J5.14 R114.2 | length 3.2
  Top Layer w0.2: v1(108.725,55.175) 108.738,55.188 108.738,57.712 J5.14@108.75,57.725
  Bottom Layer w0.2: R114.2@108.05,55.15 108.062,55.163 108.713,55.163 v1(108.725,55.175)
NetL1_1: L1.1 U7.7
NetL8_1: L8.1 U2.8 U2.9
NetL9_1: L9.1 U2.11
NetL10_1: L10.1 U2.22
NetL11_1: L11.1 U2.35 U2.36
NetL12_1: L12.1 U2.21
NetPB3_1: PB3.1 R164.1 R167.1 | length 4.5
  Top Layer w0.125: R167.1@84.75,114.2 R164.1@85.8,114.2 85.8,113.2 87.5,111.5 PB3.1@87.55,111.5
NetPB4_1: PB4.1 R165.1 R168.1 | length 4.6
  Top Layer w0.125: R168.1@84.7,119.6 R165.1@85.8,119.6 85.8,118.6 87.5,116.9 PB4.1@87.55,116.9
NetPB5_1: PB5.1 R166.1 R169.1 | length 4.6
  Top Layer w0.125: R169.1@84.7,125 R166.1@85.8,125 85.8,124 87.5,122.3 PB5.1@87.55,122.3
NetR6_2: R6.2 R10.2 TP1.1 U2.47 | length 6.7
  Top Layer w0.125: TP1.1@107.65,85.1 107.782,84.968 108.241,84.968 108.654,84.555 109.054,84.555 109.282,84.328 v1(109.372,84.328)
  Top Layer w0.25: U2.47@109.05,81.251 109.05,81.669 v1(109.414,82.033) ; v1(109.372,84.328) 109.386,84.314 109.386,83.764 R10.2@109.4,83.75
  Inner 5 w0.25: v1(109.372,84.328) 109.393,84.307 109.393,82.054 v1(109.414,82.033)
  Bottom Layer w0.25: v1(109.414,82.033) 109.414,81.976 109.464,81.926 109.464,81.429 109.593,81.3 R6.2@109.614,81.3
NetR27_2: R27.2 U3.L9 | length 2.4
  Top Layer w0.2: R27.2@132.03,96.15 132.03,95.17 132.696,94.504 132.696,94.079 U3.L9@132.725,94.05
NetR28_2: R28.2 U4.L9 | length 2.4
  Top Layer w0.2: R28.2@132.03,83.75 132.03,82.87 132.694,82.206 132.694,81.89 132.721,81.863 132.721,81.679 U4.L9@132.75,81.65
NetR33_2: R33.2 U5.L9 | length 2.3
  Top Layer w0.2: R33.2@132.032,120.9 132.032,120.043 132.714,119.361 132.714,119.07 132.715,119.069 132.715,118.879 U5.L9@132.744,118.85
NetR34_2: R34.2 U6.L9 | length 2.4
  Top Layer w0.2: R34.2@132.03,108.55 132.03,107.584 132.714,106.9 132.714,106.67 132.715,106.669 132.715,106.479 U6.L9@132.744,106.45
NetR80_1: R80.1 U8.43 | length 1.6
  Top Layer w0.125: U8.43@100.776,121.576 101.301,121.576 101.73,122.005 101.948,122.005 R80.1@102.099,122.156
NetR86_2: R86.2 U8.40 | length 1.3
  Top Layer w0.125: U8.40@100.776,120.076 100.8,120.1 101.997,120.1 102.029,120.132 R86.2@102.1,120.132
NetR87_1: R87.1 U1.V21 | length 25.4
  Top Layer w0.125: R87.1@103.99,123.16 104,123.171 v1(104,123.9) ; U1.V21@112.044,103.6 v1(112.444,104)
  PWR 2 w0.125: v1(104,123.9) 104.402,123.9 111.05,117.252 111.05,110.1 110.804,109.854 110.804,108.446 111.244,108.006 111.244,105.402 111.438,105.208 111.826,105.208 112.05,104.983 112.05,104.394 v1(112.444,104)
NetR91_1: R91.1 R94.2 | length 1.9
  Top Layer w0.125: R94.2@90.463,123.375 90.463,123.813 91.287,124.638 91.308,124.638 91.5,124.829 R91.1@91.5,124.85
NetR91_2: R91.2 U8.12 | length 2.9
  Top Layer w0.125: R91.2@92.425,124.85 92.425,124.871 92.616,125.063 92.637,125.063 93.075,125.5 94.402,125.5 94.475,125.427 U8.12@94.475,124.876
NetR98_1: R98.1 U9.7 | length 2
  Top Layer w0.3: R98.1@93.025,115.4 93.07,115.355 93.07,113.495 U9.7@93.115,113.45
NetR99_1: R99.1 R101.2 U10.7 | length 3
  Top Layer w0.125: R101.2@105.575,117.875 105.575,117.854 106.309,117.12 106.309,117.066 R99.1@106.5,116.875 106.5,115.546 U10.7@106.68,115.366
NetR100_1: R100.1 R102.2 U9.3 | length 8.4
  Top Layer w0.3: R100.1@90.2,108.9 92.5,108.9 94.385,107.015 94.385,105.225 93.975,104.815 R102.2@93.975,103.8
NetR129_2: R129.2 R130.1 | length 1.1
  Top Layer w0.3: R130.1@136.5,124.65 136.525,124.625 137.6,124.625 R129.2@137.625,124.6
NetR137_2: R137.2 U1.A2 | length 1.3
  Top Layer w0.3: v1(98,88.151) 98.043,88.151 98.273,88.381 98.425,88.381 U1.A2@98.444,88.4
  Bottom Layer w0.3: v1(98,88.151) 98.03,88.12 98.03,87.595 R137.2@98.125,87.5
NetR142_2: R142.2 U1.C14 | length 1.6
  Top Layer w0.11: U1.C14@100.044,97.997 U1.C14@100.044,98
  Top Layer w0.125: v1(99.663,98.388) 99.663,98.384 100.044,98.004 U1.C14@100.044,98
  Bottom Layer w0.125: R142.2@98.925,97.621 98.925,97.679 99.634,98.388 v1(99.663,98.388)
NetR145_1: R145.1 U12.9 | length 2.1
  Top Layer w0.15: R145.1@95.875,57.25 95.875,57.271 96.425,57.821 96.425,58.362 96.613,58.55 U12.9@97.1,58.55
NetR146_1: R146.1 U12.8 | length 1.5
  Top Layer w0.15: R146.1@95.875,58.327 95.875,58.346 96.524,58.995 97.045,58.995 U12.8@97.1,59.05
NetR148_2: R148.2 U14.3 | length 4
  Bottom Layer w0.3: U14.3@115.962,133.965 116.799,133.965 116.975,133.789 116.975,131.271 117.25,130.996 R148.2@117.25,130.975
NetR150_2: R150.2 U15.3 | length 4
  Bottom Layer w0.3: U15.3@109.887,133.965 110.724,133.965 110.9,133.789 110.9,131.271 111.175,130.996 R150.2@111.175,130.975
NetR151_2: R151.2 U13.38 | length 1.6
  Top Layer w0.125: R151.2@114.741,115.725 114.741,116.191 115.05,116.5 U13.38@115.05,117.2
NetR152_2: R152.2 U13.39 | length 1.6
  Top Layer w0.125: U13.39@115.55,117.2 115.55,115.916 115.741,115.725 R152.2@115.752,115.725
NetR153_2: R153.2 U13.40 | length 1.8
  Top Layer w0.125: U13.40@116.05,117.2 116.05,116.6 116.551,116.099 116.551,115.916 116.743,115.725 R153.2@116.764,115.725
NetR154_2: R154.2 U13.41 | length 2.2
  Top Layer w0.125: U13.41@116.55,117.2 116.55,116.6 116.829,116.321 117.169,116.321 117.562,115.927 117.562,115.916 117.754,115.725 R154.2@117.775,115.725
NetR155_1: R155.1 U13.19 U13.36 | length 10.4
  Top Layer w0.2: R155.1@108.426,121.825 108.426,121.846 108.58,122 108.725,122 109.1,122.375 109.825,122.375 U13.19@109.85,122.4 110.546,122.4 110.663,122.283 110.663,118.823 111.537,117.95 113.908,117.95 114.025,117.833 114.025,117.225 U13.36@114.05,117.2